# Altium PCB ControllerV1.0.PcbDoc (part 1 of 2) (continued)
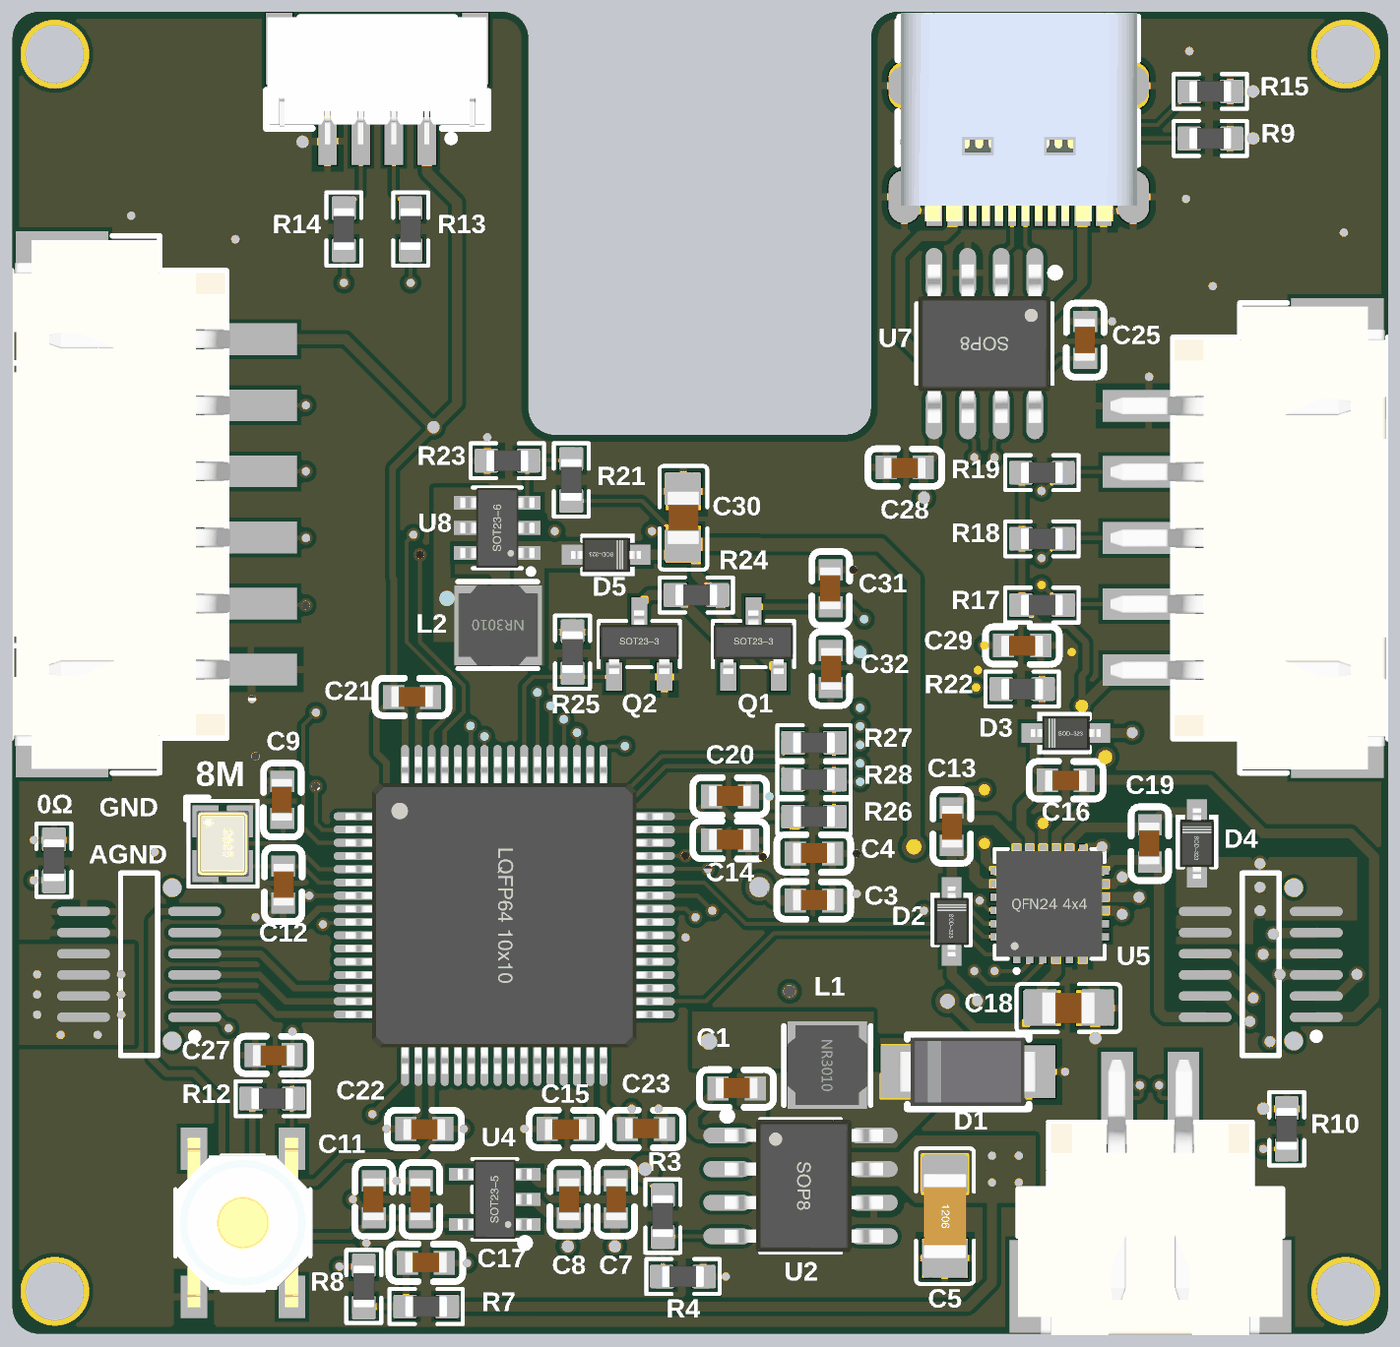
[diagram p6: 3D render of the assembled board from below, using the file's embedded part models]

## Layer stack, top to bottom
Top Solder: solder mask 0.4, Solder Resist, Dk 3.5
Top: signal copper 1.4
Dielectric 2: prepreg 2.8, PP-006, Dk 4.1
Gnd: signal copper 1.378
Dielectric 1: dielectric 47.2441, FR-4, Dk 4.8
Signal: signal copper 1.378
Dielectric 3: prepreg 2.8, PP-006, Dk 4.1
Bottom: signal copper 1.4
Bottom Solder: solder mask 0.4, Solder Resist, Dk 3.5

## Board outline
38.74,0 cw(c38.74,39.37) -0.63,39.37 -0.63,1929.13 cw(c38.74,1929.13) 38.74,1968.5 729.37,1968.5 cw(c729.37,1929.13) 768.74,1929.13 768.74,1377.95 ccw(c808.11,1377.95) 808.11,1338.58 1239.53,1338.58 ccw(c1239.53,1377.95) 1278.9,1377.95 1278.9,1929.13 cw(c1318.27,1929.13) 1318.27,1968.5 2007.24,1968.5 cw(c2007.24,1929.13) 2046.61,1929.13 2046.61,39.37 cw(c2007.24,39.37) 2007.24,0

## Design rules (kind name [scope] priority, off if disabled: settings)
BoardOutlineClearance [All] p1: gap=0 ignorepadtopadclearanceinfootprint=FALSE except(10: Poly-OutlineEdge)
Clearance [All] p1: gap=6 ignorepadtopadclearanceinfootprint=FALSE except(4: Arc-Arc Arc-Track Track-Track)
ComponentClearance [All] p1: gap=0 collisioncheckmode=3 verticalgap=0 showdistances=FALSE
Height [All] p1: minheight=0 maxheight=2000 prefheight=500
HoleSize [All] p1: absolutevalues=TRUE maxlimit=500 minlimit=1 maxpercent=80.000 minpercent=20.000
HoleToHoleClearance [All] p1: gap=0 allowstackedmicrovias=TRUE
MinimumSolderMaskSliver [All] p1: minsoldermaskwidth=0
PolygonConnect PolygonConnect_14 [All vs IsNamedPolygon('AGND_L02_P011')] p1: thpad.connectstyle=Relief thpad.reliefconductorwidth=10 thpad.reliefentries=4 thpad.polygonreliefangle="90 Angle" thpad.airgapwidth=10 smdpad.connectstyle=Relief smdpad.reliefconductorwidth=10 smdpad.reliefentries=4 smdpad.polygonreliefangle="90 Angle" smdpad.airgapwidth=10 via.connectstyle=Direct via.reliefconductorwidth=10 via.reliefentries=4 via.polygonreliefangle="90 Angle" via.airgapwidth=10
PolygonConnect PolygonConnect_13 [All vs IsNamedPolygon('GND_L02_P013')] p2: thpad.connectstyle=Relief thpad.reliefconductorwidth=10 thpad.reliefentries=4 thpad.polygonreliefangle="90 Angle" thpad.airgapwidth=10 smdpad.connectstyle=Relief smdpad.reliefconductorwidth=10 smdpad.reliefentries=4 smdpad.polygonreliefangle="90 Angle" smdpad.airgapwidth=10 via.connectstyle=Direct via.reliefconductorwidth=10 via.reliefentries=4 via.polygonreliefangle="90 Angle" via.airgapwidth=10
PolygonConnect PolygonConnect_12 [All vs IsNamedPolygon('GND_L04_P023')] p3: thpad.connectstyle=Relief thpad.reliefconductorwidth=10 thpad.reliefentries=4 thpad.polygonreliefangle="90 Angle" thpad.airgapwidth=10 smdpad.connectstyle=Relief smdpad.reliefconductorwidth=10 smdpad.reliefentries=4 smdpad.polygonreliefangle="90 Angle" smdpad.airgapwidth=10 via.connectstyle=Direct via.reliefconductorwidth=10 via.reliefentries=4 via.polygonreliefangle="90 Angle" via.airgapwidth=10
PolygonConnect PolygonConnect_11 [All vs IsNamedPolygon('GND_L01_P015')] p4: thpad.connectstyle=Relief thpad.reliefconductorwidth=10 thpad.reliefentries=4 thpad.polygonreliefangle="90 Angle" thpad.airgapwidth=10 smdpad.connectstyle=Relief smdpad.reliefconductorwidth=10 smdpad.reliefentries=4 smdpad.polygonreliefangle="90 Angle" smdpad.airgapwidth=10 via.connectstyle=Direct via.reliefconductorwidth=10 via.reliefentries=4 via.polygonreliefangle="90 Angle" via.airgapwidth=10
PolygonConnect PolygonConnect_10 [All vs IsNamedPolygon('GND_L04_P023')] p5: connectstyle=Relief reliefconductorwidth=10 reliefentries=4 polygonreliefangle="90 Angle" airgapwidth=10
PolygonConnect PolygonConnect_9 [All vs IsNamedPolygon('NETD5_2_L04_P006')] p6: connectstyle=Direct reliefconductorwidth=10 reliefentries=4 polygonreliefangle="90 Angle" airgapwidth=10
PolygonConnect PolygonConnect_8 [All vs IsNamedPolygon('5V_L04_P000')] p7: connectstyle=Direct reliefconductorwidth=10 reliefentries=4 polygonreliefangle="90 Angle" airgapwidth=10
PolygonConnect PolygonConnect_7 [All vs IsNamedPolygon('NETD5_2_L04_P021')] p8: connectstyle=Direct reliefconductorwidth=10 reliefentries=4 polygonreliefangle="90 Angle" airgapwidth=10
PolygonConnect PolygonConnect_6 [All vs IsNamedPolygon('GND_L01_P015')] p9: connectstyle=Relief reliefconductorwidth=10 reliefentries=4 polygonreliefangle="90 Angle" airgapwidth=10
PolygonConnect PolygonConnect_5 [All vs IsNamedPolygon('GND_L04_P014')] p10: connectstyle=Relief reliefconductorwidth=10 reliefentries=4 polygonreliefangle="90 Angle" airgapwidth=10
PolygonConnect PolygonConnect_4 [All vs IsNamedPolygon('GND_L02_P013')] p11: connectstyle=Relief reliefconductorwidth=10 reliefentries=4 polygonreliefangle="90 Angle" airgapwidth=10
PolygonConnect PolygonConnect_2 [All vs IsNamedPolygon('AGND_L02_P011')] p12: connectstyle=Relief reliefconductorwidth=10 reliefentries=4 polygonreliefangle="90 Angle" airgapwidth=10
PolygonConnect PolygonConnect_3 [All vs IsNamedPolygon('5V_L01_P010')] p13: connectstyle=Direct reliefconductorwidth=10 reliefentries=4 polygonreliefangle="90 Angle" airgapwidth=10
PolygonConnect PolygonConnect_1 [All vs IsNamedPolygon('NETD5_2_L04_P003')] p14: connectstyle=Direct reliefconductorwidth=10 reliefentries=4 polygonreliefangle="90 Angle" airgapwidth=10
PolygonConnect PolygonConnect_PGND [InNet('PGND')] p15: connectstyle=Direct reliefconductorwidth=10 reliefentries=4 polygonreliefangle="90 Angle" airgapwidth=10
PolygonConnect [InNetClass('POWER')] p16: connectstyle=Direct reliefconductorwidth=10 reliefentries=4 polygonreliefangle="90 Angle" airgapwidth=10
RoutingVias [All] p1: holewidth=12 width=24 viastyle="Through Hole" minholewidth=10 minwidth=10 maxholewidth=30 maxwidth=50
SilkToSilkClearance [All] p1: silktosilkclearance=0
SilkToSolderMaskClearance [IsPad] p1: minsilkscreentomaskgap=0 clearancetoexposedcopper=TRUE
SolderMaskExpansion [IsVia] p1: expansion=4 istentingtop=TRUE
Width [All] p1: maxlimit=100 minlimit=6 preferedwidth=10
23 further rules are at their usual default settings.

## Classes and differential pairs
component class Controller_2: C29 C30 C31 C32 D5 J1 J2 L2 LED2 LED3 OLED1 Q1 Q2 R16 R17 R18 R19 R20 R21 R22 R23 R24 R25 R26 R27 R28 SW2 SW3 U8 XH3 XH4
component class Controller_1: C1 C2 C3 C4 C5 C6 C7 C8 C9 C10 C11 C12 C13 C14 C15 C16 C17 C18 C19 C20 C21 C22 C23 C24 C25 C26 C27 C28 D1 D2 D3 D4 L1 LED1 R1 R2 R3 R4 R5 R6 R7 R8 R9 R10 R11 R12 R13 R14 R15 SW1 U1 U2 U3 U4 U5 U6 U7 USB1 X1 XH1 XH2

## Components (designator, comment, footprint, x,y, rotation, side; value= is the part's Value field where it differs from the comment)
C1 "10nf" 0603C 968.74,365 r180 bottom
C2 "10uf" 0603C 703.74,570 r270 top
C3 "10nf" 0603C 853.74,645 r180 bottom
C4 "10uf" 0603C 853.74,715 r180 bottom
C5 "10uf" 1206C 658.74,175 r270 bottom
C6 "47uf" 1206C 953.74,370 r270 top
C7 "10uf" 0603C 1148.74,200 r270 bottom
C8 "0.1uf" 0603C 1218.74,200 r270 bottom
C9 "22pf" 0603C 1645,795 r90 bottom
C10 "10uf" 0603C 1438.74,200 r90 bottom
C11 "0.1uf" 0603C 1508.74,200 r90 bottom
C12 "22pf" 0603C 1643.74,668.66 r270 bottom
C13 "220nf" 0603C 648.74,755 r270 bottom
C14 "2.2uf" 0603C 978.74,735 r180 bottom
C15 "2.2uf" 0603C 1223.13,305 r0 bottom
C16 "220nf" 0603C 478.74,824.37 r0 bottom
C17 "0.1uf" 0603C 1431.24,105.34 r180 bottom
C18 "10uf" 0805C 475,485 r180 bottom
C19 "220nf" 0603C 353.74,730 r90 bottom
C20 "0.1uf" 0603C 978.74,800 r180 bottom
C21 "0.1uf" 0603C 1451.77,947.87 r180 bottom
C22 "0.1uf" 0603C 1433.74,305 r0 bottom
C23 "0.1uf" 0603C 1103.74,304.79 r180 bottom
C24 "0.1uf" 0603C 1428.74,545 r90 top
C25 "0.1uf" 0603C 450,1480 r90 bottom
C26 "0.1uf" 0603C 353.82,35 r180 top
C27 "0.1uf" 0603C 1657.81,415 r0 bottom
C28 "0.1uf" 0603C 718.74,1290 r0 bottom
C29 "0.1uf" 0603C 543.74,1025 r0 bottom
C30 "22uf" 0805C 1048.11,1215 r90 bottom
C31 "4.7uf" 0603C 828.74,1110 r90 bottom
C32 "4.7uf" 0603C 828.74,990 r270 bottom
D1 "SS34_C8678" SS34 714.84,390 r180 bottom
D2 "1N5819WS" SOD-323 648.74,613.94 r270 bottom
D3 "1N5819WS" SOD-323 478.74,894.37 r180 bottom
D4 "1N5819WS" SOD-323 283.74,730 r270 bottom
D5 "1N5819WS" SOD-323 1163.11,1160 r0 bottom
J1 "BTB-2X6-F" BTB-F-0.8mm-2x6P 188.74,550 r0 bottom
J2 "BTB-2X6-F" BTB-F-0.8mm-2x6P 1858.23,550 r0 bottom
L1 "10uH" IND-SMD_L3.0-W3.0_SWPA3010S 833.74,400 r270 bottom value=22uH
L2 "10uH" IND-SMD_L3.0-W3.0_SWPA3010S 1323.74,1055 r0 bottom value=22uH
LED1 "LED_0603-B" LED_0603 874.26,1255 r270 top
LED2 "LED_0603-B" LED_0603 1174.26,1255 r270 top
LED3 "LED_0603-B" LED_0603 1024.06,1255 r270 top
OLED1 "OLED_12880" OLED_12880 693.74,932.05 r180 top
Q1 "FDN338P" SOT-23-3 943.74,1030 r270 bottom
Q2 "FDN335N" SOT-23-3 1113.74,1030 r270 bottom
R1 "3.3k" 0603R 939.06,1255 r270 top
R2 "10k" 0603R 1245.83,545 r90 top
R3 "47k" 0603R 1078.74,175 r90 bottom
R4 "15k" 0603R 1048.74,85 r0 bottom
R5 "0R" 0603R 1985,705 r270 bottom
R6 "10k" 0603R 1338.74,545 r90 top
R7 "10k" 0603R 1430.94,40.34 r180 bottom
R8 "1k" 0603R 1523.74,70.34 r270 bottom
R9 "5.1k" 0603R 263.74,1850 r0 bottom
R10 "4.7k" 0603R 150,305 r90 bottom
R11 "NC" 0603R 354.21,411.81 r180 top
R12 "10k" 0603R 1660,350 r0 bottom
R13 "22R" 0603R 1454.06,1645 r90 bottom
R14 "22R" 0603R 1553.42,1645 r90 bottom
R15 "5.1k" 0603R 263.74,1780 r0 bottom
R16 "2k" 0603R 1239.06,1255 r270 top
R17 "3.3k" 0603R 514.37,1085 r0 bottom
R18 "3.3k" 0603R 514.37,1183.74 r0 bottom
R19 "3.3k" 0603R 514.37,1282.17 r0 bottom
R20 "5k" 0603R 1089.06,1255 r270 top
R21 "47k" 0603R 1215,1271.48 r270 bottom
R22 "470k" 0603R 543.74,960 r0 bottom
R23 "3.3k" 0603R 1310,1300 r180 bottom
R24 "47k" 0603R 1028.74,1100 r0 bottom
R25 "47k" 0603R 1213.11,1015 r270 bottom
R26 "2.2k" 0603R 853.74,770 r0 bottom
R27 "22R" 0603R 853.74,880 r180 bottom
R28 "22R" 0603R 853.74,825 r180 bottom
SW1 "TS-1187A-B-A-B" "TSW SMD-4*4*1.5" 1703.74,165 r270 bottom
SW2 "TS-1187A-B-A-B" "TSW SMD-4*4*1.5" 1673.74,1045 r0 top
SW3 "TS-1187A-B-A-B" "TSW SMD-4*4*1.5" 1673.74,790 r0 top
U1 "STM32F405RGT6" LQFP_64 1314.72,622.83 r180 bottom
U2 "TPS5450DDAR" SOP-8-EP 873.74,220 r270 bottom
U3 "AMS1117-3.3_C347256" SOT-89 837.14,569.06 r180 top
U4 "RT9013-33GB" SOT-23-5 1328.74,200 r90 bottom
U5 "FD6288Q" QFN-24-EP(4x4) 502.95,640.1 r180 bottom
U6 "SN65HVD230D" SOP-8 353.82,215 r0 top
U7 "CH340N" SOP-8 600,1474.39 r0 bottom
U8 "MT3608L" SOT-23-6 1325,1200 r90 bottom
USB1 "TYPE-C 16PIN" USB-C-SMD_TYPE-C-6PIN-2MD-073 548.74,1765 r0 bottom
X1 "-" "OSC 2520-4P" 1733.74,729.68 r270 bottom
XH1 "XH2.54-WS-2P" XH2.54-WS-2P 353.07,155 r180 bottom
XH2 "GH1.25-WS-4P" GH1.25-WS-4P 1503.74,1845 r0 bottom
XH3 "XH2.54-WS-5P" XH2.54-WS-5P 159.37,1185 r90 bottom
XH4 "XH2.54-WS-6P" XH2.54-WS-6P 1888.11,1235 r270 bottom

## Footprints (in the part's own frame and the unit in brackets; to place one, negate y for a bottom-side part, rotate by r counter-clockwise, add the part's x,y. Pads: shape width x height; smd on the part's side, far side on the other; paste and mask are expansions set on the pad)
0603C [mm]
  rect 0.8x0.9 smd: 1(-0.7,0) 2(0.7,0)
  silkscreen extent -1.41,-0.71 1.39,0.72, body extent -0.8,-0.38 0.8,0.42, height 0.6
0603R [mil]
  rect 31.75x34.02 smd paste-3937.01 mask+2: 1(-29.66,0) 2(29.66,0)
  silkscreen extent -55,-26 55,26, body extent -31,-16 31,16, height 15
0805C [mm]
  rect 1.41x1.35 smd paste-100 mask+0.051: 1(-1,0) 2(1,0)
  silkscreen extent -1.96,-0.9 1.96,0.9, body extent -1,-0.6 1,0.6, height 0.95
1206C [mm]
  rect 1.485x1.728 smd paste-100 mask+0.051: 1(-1.593,0) 2(1.593,0)
  silkscreen extent -2.56,-1.09 2.56,1.09, body extent -1.6,-0.81 1.6,0.81, height 1.21
BTB-F-0.8mm-2x6P [mm] "0.8间距2x6P母座，SMD"
  oval 2x0.35 smd: 1(-2.1,2) 2(-2.1,1.2) 3(-2.1,0.4) 4(-2.1,-0.4) 5(-2.1,-1.2) 6(-2.1,-2) 7(2.1,-2) 8(2.1,-1.2) 9(2.1,-0.4) 10(2.1,0.4) 11(2.1,1.2) 12(2.1,2)
  silkscreen extent -2.22,-3.45 0.7,3.45, body extent -1.1,-3.45 1.1,3.45, height 2
GH1.25-WS-4P [mm]
  rect 0.7x1.8 smd paste+0 mask+0.05: 1(-1.875,1.75) 2(-0.625,1.75) 3(0.625,1.75) 4(1.875,1.75)
  rect 1x2.7 smd paste+0 mask+0.05: 5(3.705,-1.75) 6(-3.705,-1.75)
  silkscreen extent -4.19,-2.92 4.19,1.78, body extent -4.15,-2.93 4.15,1.92, height 4.1
IND-SMD_L3.0-W3.0_SWPA3010S [mm]
  rect 1x3 smd: 1(1.15,0) 2(-1.15,0)
  silkscreen extent -1.49,-1.65 1.52,1.64, body extent -1.5,-1.5 1.5,1.5, height 1.15
LED_0603 [mil]
  rect 31.5x31.5 smd paste+0 mask+2: 1(-33.5,-0.4) 2(29.5,-0.2)
  silkscreen extent -61,-30 53,30, body extent -36,-16 26,16, height 18
LQFP_64 [mm] "LQFP_64_N"
  oval 1.8x0.3 smd: 1(-5.55,3.75) 2(-5.55,3.25) 3(-5.55,2.75) 4(-5.55,2.25) 5(-5.55,1.75) 6(-5.55,1.25) 7(-5.55,0.75) 8(-5.55,0.25) 9(-5.55,-0.25) 10(-5.55,-0.75) 11(-5.55,-1.25) 12(-5.55,-1.75) 13(-5.55,-2.25) 14(-5.55,-2.75) 15(-5.55,-3.25) 16(-5.55,-3.75) 33(5.55,-3.75) 34(5.55,-3.25) 35(5.55,-2.75) 36(5.55,-2.25) 37(5.55,-1.75) 38(5.55,-1.25) 39(5.55,-0.75) 40(5.55,-0.25) 41(5.55,0.25) 42(5.55,0.75) 43(5.55,1.25) 44(5.55,1.75) 45(5.55,2.25) 46(5.55,2.75) 47(5.55,3.25) 48(5.55,3.75)
  oval 0.3x1.8 smd: 17(-3.75,-5.55) 18(-3.25,-5.55) 19(-2.75,-5.55) 20(-2.25,-5.55) 21(-1.75,-5.55) 22(-1.25,-5.55) 23(-0.75,-5.55) 24(-0.25,-5.55) 25(0.25,-5.55) 26(0.75,-5.55) 27(1.25,-5.55) 28(1.75,-5.55) 29(2.25,-5.55) 30(2.75,-5.55) 31(3.25,-5.55) 32(3.75,-5.55) 49(3.75,5.55) 50(3.25,5.55) 51(2.75,5.55) 52(2.25,5.55) 53(1.75,5.55) 54(1.25,5.55) 55(0.75,5.55) 56(0.25,5.55) 57(-0.25,5.55) 58(-0.75,5.55) 59(-1.25,5.55) 60(-1.75,5.55) 61(-2.25,5.55) 62(-2.75,5.55) 63(-3.25,5.55) 64(-3.75,5.55)
  silkscreen extent -4.25,-4.25 4.25,4.25, body extent -6,-6 6,6, height 1.45
OLED_12880 [mm] "OLED_128*80"
  rrect50% 3.5x0.4 smd: 1(0,-4.2) 2(0,-3.5) 3(0,-2.8) 4(0,-2.1) 5(0,-1.4) 6(0,-0.7) 7(0,0) 8(0,0.7) 9(0,1.4) 10(0,2.1) 11(0,2.8) 12(0,3.5) 13(0,4.2)
  silkscreen extent -20.32,-6.35 3.56,6.35, body extent -20.18,-6.25 7.54,6.25, height 1.55
"OSC 2520-4P" [mm] "2*2.5*0.55mm(长宽高)"
  rect 1.2x1 smd: 1(-0.85,-0.65) 2(0.85,-0.65) 3(0.85,0.65) 4(-0.85,0.65)
  silkscreen extent -1.75,-1.4 1.63,1.32, body extent -1.25,-1 1.25,1, height 0.55
QFN-24-EP(4x4) [mm]
  rect 0.28x0.665 smd paste-100 mask+0.05: 1(-1.25,-1.908) 2(-0.75,-1.908) 3(-0.25,-1.908) 4(0.25,-1.908) 5(0.75,-1.908) 6(1.25,-1.908) 13(1.25,1.908) 14(0.75,1.908) 15(0.25,1.908) 16(-0.25,1.908) 17(-0.75,1.908) 18(-1.25,1.908)
  rect 0.665x0.28 smd paste-100 mask+0.05: 7(1.908,-1.25) 8(1.908,-0.75) 9(1.908,-0.25) 10(1.908,0.25) 11(1.908,0.75) 12(1.908,1.25) 19(-1.908,1.25) 20(-1.908,0.75) 21(-1.908,0.25) 22(-1.908,-0.25) 23(-1.908,-0.75) 24(-1.908,-1.25)
  rect 2.55x2.55 smd paste-100 mask+0.05: 25(0,0)
  silkscreen extent -2.08,-2.61 2.08,2.08, body extent -2.03,-2.01 1.99,2.01, height 0.95
SOD-323 [mm]
  rect 1x0.75 smd: 1(-1.173,0) 2(1.173,0)
  silkscreen extent -1.08,-0.8 0.9,0.8, body extent -1.32,-0.65 1.32,0.65, height 1
SOP-8 [mm]
  oval 0.63x1.865 smd: 1(-1.905,-2.682) 2(-0.635,-2.682) 3(0.635,-2.682) 4(1.905,-2.682) 5(1.905,2.682) 6(0.635,2.682) 7(-0.635,2.682) 8(-1.905,2.682)
  silkscreen extent -2.82,-2.83 2.58,1.52, body extent -2.5,-3 2.5,3, height 1.9
SOP-8-EP [mm]
  oval 0.6x1.8 smd: 1(-1.905,-2.772) 2(-0.635,-2.772) 3(0.635,-2.772) 4(1.905,-2.772) 5(1.905,2.772) 6(0.635,2.772) 7(-0.635,2.772) 8(-1.905,2.772)
  rect 2.29x2.29 smd: 9(0,0)
  silkscreen extent -2.8,-2.92 2.53,1.52, body extent -2.5,-2.88 2.5,3.13, height 1.9
SOT-23-3 [mm]
  rect 1.07x0.6 smd paste+0 mask+0.051: 1(1.314,-0.95) 2(1.314,0.95) 3(-1.156,0)
  silkscreen extent -0.8,-1.54 0.96,1.54, body extent -1.2,-1.5 1.2,1.5, height 1.05
SOT-23-5 [mm]
  rect 0.49x1.157 smd: 1(-0.95,-1.154) 2(0,-1.154) 3(0.95,-1.154)
  rect 0.49x1.175 smd: 4(0.95,1.154) 5(-0.95,1.154)
  silkscreen extent -1.8,-1.29 1.53,0.85, body extent -1.5,-1.4 1.5,1.4, height 1.15
SOT-23-6 [mm]
  rect 0.532x0.99 smd: 1(-0.95,-1.145) 2(0,-1.145) 3(0.95,-1.145) 4(0.95,1.145) 5(0,1.145) 6(-0.95,1.145)
  silkscreen extent -1.75,-1.37 1.53,0.93, body extent -1.5,-1.4 1.5,1.4, height 1.15
SOT-89 [mm]
  rect 1.575x0.672 smd: 1(1.356,-1.5) 3(1.356,1.5)
  oval 5.377x1.9 smd: 2(-1.356,0.009)
  Top region: -2.283,0.959 -0.429,0.959 -0.385,0.958 -0.34,0.955 -0.296,0.949 -0.252,0.942 -0.208,0.933 -0.165,0.921 -0.123,0.908 -0.081,0.893 -0.04,0.875 0,0.856 0.04,0.835 0.078,0.812 0.115,0.788 0.151,0.761 0.185,0.733 0.219,0.704 0.251,0.673 0.281,0.64 0.31,0.606 0.337,0.571 0.362,0.534 0.386,0.497 0.408,0.458 0.428,0.418 0.447,0.339 2.144,0.339 2.144,-0.321 0.447,-0.321 0.428,-0.401 0.408,-0.44 0.386,-0.479 0.362,-0.517 0.337,-0.553 0.31,-0.588 0.281,-0.622 0.251,-0.655 0.219,-0.686 0.185,-0.716 0.151,-0.744 0.115,-0.77 0.078,-0.795 0.04,-0.818 0,-0.839 -0.04,-0.858 -0.081,-0.875 -0.123,-0.89 -0.165,-0.904 -0.208,-0.915 -0.252,-0.925 -0.296,-0.932 -0.34,-0.937 -0.385,-0.94 -0.429,-0.941 -2.283,-0.941 -2.328,-0.94 -2.372,-0.937 -2.416,-0.932 -2.46,-0.925 -2.504,-0.915 -2.547,-0.904 -2.589,-0.89 -2.631,-0.875 -2.672,-0.858 -2.713,-0.839 -2.752,-0.818 -2.79,-0.795 -2.827,-0.77 -2.863,-0.744 -2.898,-0.716 -2.931,-0.686 -2.963,-0.655 -2.993,-0.622 -3.022,-0.588 -3.049,-0.553 -3.075,-0.517 -3.098,-0.479 -3.12,-0.44 -3.141,-0.401 -3.159,-0.36 -3.175,-0.318 -3.189,-0.276 -3.202,-0.233 -3.212,-0.19 -3.22,-0.146 -3.227,-0.102 -3.231,-0.058 -3.233,-0.013 -3.233,0.031 -3.231,0.076 -3.227,0.12 -3.22,0.164 -3.212,0.208 -3.202,0.251 -3.189,0.294 -3.175,0.336 -3.159,0.377 -3.141,0.418 -3.12,0.458 -3.098,0.497 -3.075,0.534 -3.049,0.571 -3.022,0.606 -2.993,0.64 -2.963,0.673 -2.931,0.704 -2.898,0.733 -2.863,0.761 -2.827,0.788 -2.79,0.812 -2.752,0.835 -2.713,0.856 -2.672,0.875 -2.631,0.893 -2.589,0.908 -2.547,0.921 -2.504,0.933 -2.46,0.942 -2.416,0.949 -2.372,0.955 -2.328,0.958 -2.283,0.959
  silkscreen extent -1.87,-2.33 0.78,2.33, body extent -2.79,-2.3 1.51,2.3, height 1.6
SS34 [mil]
  rect 78.7x78.7 smd mask+2: 1(0,0) 2(181.1,0)
  silkscreen extent 0,-55 181,55, body extent -12,-51 192,51, height 95
"TSW SMD-4*4*1.5" [mm] "轻触开关，长宽高：4*4*1.5mm"
  rect 1.6x1 smd: 1(-2.8,1.85) 2(-2.8,-1.85) 3(2.8,-1.85) 4(2.8,1.85)
  silkscreen extent -2.55,-2.55 2.55,2.55, body extent -3.2,-2.6 3.2,2.6, height 1.5
USB-C-SMD_TYPE-C-6PIN-2MD-073 [mm]
  rect 0.6x1.1 smd paste-100 mask+0.05: 1(-3.2,2.375) 2(-2.4,2.375) 11(2.4,2.375) 12(3.2,2.375)
  rect 0.3x1.1 smd paste-100 mask+0.05: 3(-1.75,2.375) 4(-1.25,2.375) 5(-0.75,2.375) 6(-0.25,2.375) 7(0.25,2.375) 8(0.75,2.375) 9(1.25,2.375) 10(1.75,2.375)
  oval 1.2x1.8 hole 0.6 slot 1.2 at 90 deg paste+0 mask+0.05: 13(-4.325,-2.375) 14(4.325,-2.375)
  oval 1.2x2 hole 0.6 slot 1.5 at 90 deg paste+0 mask+0.05: 13(-4.325,1.825) 14(4.325,1.825)
  Keep-Out Layer board cut-out: -2.54,1.305 -2.54,1.375 -2.593,1.503 -2.692,1.602 -2.82,1.655 -2.96,1.655 -3.088,1.602 -3.187,1.503 -3.24,1.375 -3.24,1.305 -3.24,1.235 -3.187,1.107 -3.088,1.008 -2.96,0.955 -2.82,0.955 -2.692,1.008 -2.593,1.107 -2.54,1.235 -2.54,1.305 -2.54,1.305
  Keep-Out Layer board cut-out: 3.24,1.305 3.24,1.375 3.187,1.503 3.088,1.602 2.96,1.655 2.821,1.655 2.692,1.602 2.593,1.503 2.54,1.375 2.54,1.305 2.54,1.235 2.593,1.107 2.692,1.008 2.821,0.955 2.96,0.955 3.088,1.008 3.187,1.107 3.24,1.235 3.24,1.305 3.24,1.305
  Multi-Layer pour cut-out: -2.54,1.305 -2.54,1.375 -2.593,1.503 -2.692,1.602 -2.82,1.655 -2.96,1.655 -3.088,1.602 -3.187,1.503 -3.24,1.375 -3.24,1.305 -3.24,1.235 -3.187,1.107 -3.088,1.008 -2.96,0.955 -2.82,0.955 -2.692,1.008 -2.593,1.107 -2.54,1.235 -2.54,1.305 -2.54,1.305
  Multi-Layer pour cut-out: 3.24,1.305 3.24,1.375 3.187,1.503 3.088,1.602 2.96,1.655 2.821,1.655 2.692,1.602 2.593,1.503 2.54,1.375 2.54,1.305 2.54,1.235 2.593,1.107 2.692,1.008 2.821,0.955 2.96,0.955 3.088,1.008 3.187,1.107 3.24,1.235 3.24,1.305 3.24,1.305
  silkscreen extent -4.5,-4.97 4.57,0.6, body extent -4.47,-5.14 4.47,2.76, height 3.2
XH2.54-WS-2P [mm] "长：10mm，宽：8mm，高：6.1mm   淘宝ID:黄晶宝石   店铺网址:https://shop463601444.taobao.com"
  rect 2x3.5 smd: 0(-4.327,-2.15) 0(4.327,-2.15)
  rect 1.2x3.5 smd: 1(-1.25,4.981) 2(1.25,4.981)
  silkscreen extent -5,-4.06 5,4.06, body extent -5,-4 5,6.42, height 6.05
XH2.54-WS-5P [mm] "长：17.5mm，宽：8mm，高：6.1mm"
  rect 2x3.5 smd: 0(-8.077,-2.15) 0(8.077,-2.15)
  rect 1.2x3.5 smd: 1(-5,4.981) 2(-2.5,4.981) 3(0,4.981) 4(2.5,4.981) 5(5,4.981)
  silkscreen extent -8.89,-4.06 8.89,4.06, body extent -8.75,-4 8.75,6.42, height 6.05
XH2.54-WS-6P [mm] "长：20mm，宽：8mm，高：6.1mm"
  rect 2x3.5 smd: 0(-9.327,-2.15) 0(9.327,-2.15)
  rect 1.2x3.5 smd: 1(-6.25,4.981) 2(-3.75,4.981) 3(-1.25,4.981) 4(1.25,4.981) 5(3.75,4.981) 6(6.25,4.981)
  silkscreen extent -10.16,-4.06 10.16,4.06, body extent -10,-4 10,6.42

## Part data
C1 C2 C3 C4 C5 C6 C7 C8 C9 C10 C11 C12 C13 C14 C15 C16 C17 C18 C19 C20 C21 C22 C23 C24 C25 C26 C27 C28 C29 C30 C31 C32: library part CAP, "贴片电容"
D1: library part SS34, "肖特基二极管", JLCPCB Part Class="Basic Part", Manufacturer=MDD, Add into BOM=yes, Convert to PCB=yes, Datasheet=https://atta.szlcsc.com/upload/public/pdf/source/20220408/D0396E57A6E83C6AFC0ED25EC9EDE030.pdf, Device=SS34_C8678, LCSC Part Name=SS34, Manufacturer Part=SS34, Name=SS34, Supplier=LCSC, Supplier Footprint=SMA(DO-214AC), Supplier Part=C8678, Symbol=SS34_C8678
D2 D3 D4 D5: "肖特基二极管", Average Rectified Current (Io)=1A, Forward Voltage (Vf@If)=600mV@1A, JLCPCB Part Class=基础库, LCSC Part Name="电压:40V 电流:1A", Manufacturer=Hottech(合科泰), Reverse Voltage (Vr)=40V, Add into BOM=yes, Convert to PCB=yes, Datasheet=https://atta.szlcsc.com/upload/public/pdf/source/20220428/3CB86FD8D28D653594B4E35F9D5AEFD9.pdf, Device=1N5819WS_C191023, Manufacturer Part=1N5819WS, Supplier=LCSC, Supplier Footprint=SOD-323, Supplier Part=C191023, Symbol=1N5819WS
J1 J2: "0.8间距2x6P母座"
L1 L2: library part SWPA3015S100MT, "电感值:10uH;精度:±20%;额定电流:920mA;", DC Resistance (DCR)=110mΩ, JLCPCB Part Class="Extended Part", LCSC Part Name="22uH ±20% 1.23A 110mΩ", Manufacturer=SXN(顺翔诺), Manufacturer Part=SMDRI74-220M, Rated Current=1.23A, Tolerance=±20%, Add into BOM=yes, Convert to PCB=yes, Datasheet=https://atta.szlcsc.com/upload/public/pdf/source/20210810/6F96FDC19AA308DD2AD166FFB9640E87.pdf, Device=SMDRI74-220M, Supplier=LCSC, Supplier Footprint=SMD, Supplier Part=C164083, Symbol=SMDRI74-220M
LED1 LED2 LED3: library part LED, Add into BOM=yes, Convert to PCB=yes, Device=LED_0603-B, Supplier Footprint=0603, Symbol=LED_B
OLED1: "OLED_128*80"
Q1: "P沟道 耐压:20V 电流:2A", JLCPCB Part Class=扩展库, Manufacturer="TECH PUBLIC(台舟)", Add into BOM=yes, Convert to PCB=yes, Datasheet=https://atta.szlcsc.com/upload/public/pdf/source/20210903/7E6CB84F0F80073F6978D1021964D836.pdf, Device=FDN338P, LCSC Part Name=FDN338P, Manufacturer Part=FDN338P, Supplier=LCSC, Supplier Footprint=SOT-23, Supplier Part=C2890130, Symbol=FDN338P_C2890130
Q2: "N沟道 耐压:20V 电流:1.7A", JLCPCB Part Class=扩展库, Manufacturer="TECH PUBLIC(台舟)", Add into BOM=yes, Convert to PCB=yes, Datasheet=https://atta.szlcsc.com/upload/public/pdf/source/20221011/C6D62871DD587F26C6CC0F7FCE0BC659.pdf, Device=FDN335N_C5123904, LCSC Part Name=FDN335N, Manufacturer Part=FDN335N, Supplier=LCSC, Supplier Footprint=SOT-23(TO-236), Supplier Part=C5123904, Symbol=FDN335N_C5123904
R1 R2 R3 R4 R5 R6 R7 R8 R9 R10 R11 R12 R13 R14 R15 R16 R17 R18 R19 R20 R21 R22 R23 R24 R25 R26 R27 R28: library part RES, "贴片电阻"
SW1 SW2 SW3: "轻触开关", Actuator/Cap Color=金色, Contact Current=50mA, Insulation Resistance=-, JLCPCB Part Class=基础库, LCSC Part Name="5.1*5.1*1.5mm 立贴 轻触开关", Manufacturer="XKB Connectivity(中国星坤)", Operating Force=160gf, Operating Temperature=-30℃~+85℃, Voltage Rating (DC)=12V, Actuator Style=圆形按钮, Add into BOM=yes, Circuit=单刀单掷, Convert to PCB=yes, Datasheet=https://atta.szlcsc.com/upload/public/pdf/source/20200227/C318890_053E50208A88A7BA1965D8746000774E.pdf, Device=TS-1187A-B-A-B, Manufacturer Part=TS-1187A-B-A-B, Mechanical Life=10万次, Mounting Style=立贴, Strike Gundam=不带, Supplier=LCSC, Supplier Footprint=SMD, Supplier Part=C318884, Switch Height=1.5mm, Switch Length=5.1mm, Switch Width=5.1mm, Symbol=TS-1187A-B-A-B, With Lamp=无
U1: "ARM Cortex-M4 32-bit MCU+FPU, 210 DMIPS, 1024 kB Flash, 192 kB Internal RAM, 51 I/Os, 64-pin LQFP, -40 to 85 degC, Tray", I/Os (High Current)=51, Manufacturer=STMicroelectronics, Operating Frequency(F) (Processor speed) (MHz)=168, Supplier Part Number 1=497-11767-ND, Supply Voltage(Vcc) max (V)=3.6, Supply Voltage(Vcc) min (V)=1.8, ComponentLink1Description="Manufacturer URL", ComponentLink1URL=http://www.st.com/web/en/home.html, ComponentLink2Description=Datasheet, ComponentLink2URL=http://www.st.com/st-web-ui/static/active/en/resource/technical/document/datasheet/DM00037051.pdf, ComponentLink3Description="Package Specification", ComponentLink3URL=http://www.st.com/st-web-ui/static/active/en/resource/technical/document/datasheet/DM00037051.pdf, Core="ARM Cortex-M4", D/A Converter=2x12-bit, DatasheetVersion="Rev. 4", FLASH Size (Prog) (kB)=1024, Internal RAM Size (kB)=192, Mounting Technology="Surface Mount", PackageDescription="64-Pin Low Profile Quad Flat Package, 10 x 10 mm Body, 0.5 mm Pitch", PackageReference=LQFP64, PackageVersion="Rev. 4, 06/2013", Packing=Tray, PartNumber=STM32F405RGT6, Supplier 1=Digi-Key, Supplier 2=Farnell, Supplier 3=Newark, Supplier 4=Mouser, Supplier Part Number 2=2064363, Supplier Part Number 3=73T2329, Supplier Part Number 4=511-STM32F405RGT6
U2: Input Voltage=5.5V~36V, JLCPCB Part Class=扩展库, Manufacturer=TI(德州仪器), Operating Temperature=-40℃~+125℃@(TJ), Output Current (Max)=5A, Output Voltage=1.221V~31.32V, Switching Frequency=500kHz, Add into BOM=yes, Convert to PCB=yes, Datasheet=https://www.ti.com/cn/lit/gpn/tps5450, Device=TPS5450DDAR, Function=降压型, LCSC Part Name=TPS5450DDAR, Manufacturer Part=TPS5450DDAR, Number of Outputs=1, Output Type=可调, Supplier=LCSC, Supplier Footprint=SOP-8-EP-150mil, Supplier Part=C114425, Symbol=TPS5450DDAR, Synchronous Rectification=否, Topology=降压式
U3: "输出类型:固定;输出极性:正;最大输入电压:18V;输出电压:3.3V;输出电流:1A;电源纹波抑制比(PSRR):60dB@(120Hz);", Dropout Voltage=1.3V@(1A), JLCPCB Part Class=扩展库, LCSC Part Name="输入18V 输出3.3V 1A", Manufacturer=UMW(友台半导体), Manufacturer Part=AMS1117-3.3, Maximum Input Voltage=18V, Output Current=1A, Output Voltage=3.3V, Power Supply Rejection Ratio (PSRR)=60dB@(120Hz), Add into BOM=yes, Convert to PCB=yes, Datasheet=https://atta.szlcsc.com/upload/public/pdf/source/20211011/50CC665C22E3A66C08379A4A74BDA25C.pdf, Device=AMS1117-3.3_C347256, Number of Outputs=1, Output Polarity=正, Output Type=固定, Supplier=LCSC, Supplier Footprint=SOT-89, Supplier Part=C347256, Symbol=AMS1117-3.3_C347256
U4: "输出类型:固定;输出极性:正;最大输入电压:5.5V;输出电压:3.3V;输出电流:500mA;电源纹波抑制比(PSRR):50dB@(10kHz);", Dropout Voltage=400mV@(500mA), JLCPCB Part Class=扩展库, LCSC Part Name="输入5.5V 输出3.3V 500mA", Manufacturer=RICHTEK(立锜), Maximum Input Voltage=5.5V, Operating Temperature=-40℃~+85℃, Output Current=500mA, Output Voltage=3.3V, Power Supply Rejection Ratio (PSRR)=50dB@(10kHz), Quiescent Current (Ground Current)=50uA, Add into BOM=yes, Convert to PCB=yes, Datasheet=https://atta.szlcsc.com/upload/public/pdf/source/20150504/1457707282459.pdf, Device=RT9013-33GB, Feature=-, Manufacturer Part=RT9013-33GB, Noise=-, Number of Outputs=1, Output Polarity=正, Output Type=固定, Supplier=LCSC, Supplier Footprint=SOT-23-5, Supplier Part=C47773, Symbol=RT9013-33GB
U5: JLCPCB Part Class="Extended Part", Manufacturer="Fortior Tech(峰岹)", Add into BOM=yes, Convert to PCB=yes, Datasheet=https://atta.szlcsc.com/upload/public/pdf/source/20181108/C328453_785547738DB9FC0123219FC22539EFAD.pdf, Device=FD6288Q, LCSC Part Name=FD6288Q, Manufacturer Part=FD6288Q, Supplier=LCSC, Supplier Footprint=QFN-24-EP(4x4), Supplier Part=C328453, Symbol=FD6288Q_C328453
U6: "具有待机模式的 3.3V CAN 收发器 8-SOIC -40 to 85", JLCPCB Part Class=扩展库, Manufacturer=TI(德州仪器), Add into BOM=yes, Convert to PCB=yes, Device=SN65HVD230D, LCSC Part Name=SN65HVD230D, Manufacturer Part=SN65HVD230D, Supplier=LCSC, Supplier Footprint=SOIC-8, Supplier Part=C1543812, Symbol=SN65HVD230D
U7: JLCPCB Part Class=扩展库, LCSC Part Name="USB转串口芯片 CH340", Manufacturer=WCH(南京沁恒), Add into BOM=yes, Convert to PCB=yes, Datasheet=https://atta.szlcsc.com/upload/public/pdf/source/20220223/82A45E4FF89B3EDCAD50B354450A7EF4.pdf, Device=CH340N, Manufacturer Part=CH340N, Supplier=LCSC, Supplier Footprint=SOP-8, Supplier Part=C2977777, Symbol=CH340N_C2977777
U8: JLCPCB Part Class=扩展库, Manufacturer=西安航天民芯, Add into BOM=yes, Convert to PCB=yes, Datasheet=https://atta.szlcsc.com/upload/public/pdf/source/20211213/953A62CC1033762E00AABAD4906DD7F1.pdf, Device=MT3608L, LCSC Part Name=MT3608L, Manufacturer Part=MT3608L, Supplier=LCSC, Supplier Footprint=SOT-23-6, Supplier Part=C2932326, Symbol=MT3608L
USB1: library part "TYPE-C 16PIN 2MD(073)", "连接器类型:Type-C;标准:-;公母:母座;触点数量:16;端口数量:1;安装方式:卧贴;额定电流 - 电源:5A;工作温度范围:-25℃~+85℃;", Current Rating - Power (Max)=5A, JLCPCB Part Class=扩展库, LCSC Part Name="TYPE-C母座 16P 4脚插件带定位柱 不锈钢外壳 2次模顶", Manufacturer="SHOU HAN(首韩)", Operating Temperature Range=-25℃~+85℃, Add into BOM=yes, Connector Type=Type-C, Convert to PCB=yes, Device="TYPE-C 16PIN 2MD(073)", Gender=母座, Manufacturer Part="TYPE-C 16PIN 2MD(073)", Mounting Style=卧贴, Number of Contacts=16, Number of Ports=1, Standard=-, Supplier=LCSC, Supplier Footprint=SMD, Supplier Part=C2765186, Symbol="TYPE-C 16PIN 2MD(073)"
X1: library part 四脚晶振, "8MHz", BOM_JLCPCB Part Class="Extended Part", BOM_Manufacturer=NDK, BOM_Manufacturer Part=NX2016SA-32MHZ-STD-CZS-5, BOM_Supplier=LCSC, BOM_Supplier Part=C843260, Contributor=LCSC, nameAlias=Frequency, spicePre=X, spiceSymbolName=NX2016SA-32MHZ-STD-CZS-5

## Free pads (board coordinates)
  round 102.36 hole 86.61: 8(62.36,62.99) 8(62.36,1905.51) 8(1983.62,62.99) 8(1983.62,1905.51)
  round 51.18 hole 35.43: 9(220,990) 10(220,1087.5) 11(220,1185) 12(220,1282.5) 13(220,1380)

## Via types
v1: diameter 20, hole 12, Top to Bottom, tented both sides, 123 vias
v2: diameter 24, hole 16, Top to Bottom, tented both sides, 19 vias
v3: diameter 25, hole 18, Top to Bottom, tented both sides, 13 vias
v4: diameter 24, hole 12, Top to Bottom, tented both sides, 4 vias
v5: diameter 27.56, hole 27.56, Top to Bottom, tented both sides, 4 vias
v6: diameter 36, hole 22, Top to Bottom, tented both sides, 2 vias
v7: diameter 30, hole 20, Top to Bottom, tented both sides, 1 vias
v8: diameter 30, hole 22, Top to Bottom, tented both sides, 1 vias
v9: diameter 42, hole 30, Top to Bottom, tented both sides, 1 vias
v10: diameter 36, hole 24, Top to Bottom, tented both sides, 1 vias
v11: diameter 42, hole 20, Top to Bottom, tented both sides, 1 vias

## Nets (pads, with @x,y where several pads share a name; then routed paths per layer and width w, separated by ;. In a path a pad name is that pad's centre, name@x,y a point inside that pad or via, vN(x,y) a via of type N, cw(c..) or ccw(c..) an arc to the next point about the centre after c; other vN are vias at no path point)
5V: C2.2 C6.1 C7.1 C8.1 C28.1 L1.2 L2.1 pad.10 R3.2 U3.3 U4.1 U4.3 U7.5 U8.4 U8.5 USB1.2 USB1.11 | length 4343
  Top w15: v3(690,1245) 650,1205 500,1205 420,1125 v7(420,858.61) 420,770 590,600 644.21,600 C2.2@701.77,542.44
  Top w20: C2.2@701.77,542.44 C2.2@703.74,542.44 ; U3.3@783.74,510 765.96,510 762.74,513.23 762.74,523.09 743.38,542.44 C2.2@703.74,542.44 ; C6.1@953.74,432.7 752.3,432.7 703.74,481.26 C2.2@703.74,542.44 ; v10(1010,435) 1010,429.05 1040,399.05 1040,310 v11(1105,245)
  Signal w10: pad.10@220,1087.5 257.5,1087.5 418.89,926.11 418.89,859.71 v7(420,858.61)
  Signal w20: v10(1010,435) 1090,435 1110,415 1280,415 1320,455 1320,780 1400,860 v8(1400,1095)
  Bottom w6: R3.2@1078.74,204.66 1079.87,204.66 1098.11,222.9 1098.11,238.11 v11(1105,245)
  Bottom w15: USB1.2@454.26,1671.49 454.26,1565.74 530,1490 640,1490 675,1455 ; USB1.11@643.24,1671.49 647.55,1667.18 647.55,1646.12 658.66,1635 695,1635 725,1605 725,1485 695,1455 675,1455 ; v3(690,1245) 690.59,1245.59 690.59,1289.41 C28.1@691.18,1290 691.18,1291.97 675,1308.15 U7.5@675,1368.78 675,1455 ; v11(1105,245) 1110.17,239.83 1130.29,239.83 1134.31,235.81 1140.49,235.81 C7.1@1148.74,227.56 C8.1@1218.74,227.56
  Bottom w20: C8.1@1218.74,227.56 1261.06,227.56 1270.9,237.4 U4.3@1283.32,237.4 1283.67,237.05 1317.95,237.05 1330,225 1330,175 1317.95,162.95 1283.67,162.95 U4.1@1283.32,162.6
AGND: C7.2 C8.2 C10.2 C11.2 C17.2 C24.2 J2.1 J2.9 J2.10 J2.11 J2.12 R5.2 R8.1 U1.12 U4.2 | length 572.8
  Top w10: C24.2@1428.74,572.56 1432.83,568.47 v1@1464.66,568.47
  Bottom w10: v1(1370,105) 1403.34,105 C17.2@1403.68,105.34 ; C10.2@1438.74,227.56 v1(1475,227.56) C11.2@1508.74,227.56 ; v1@1464.62,568.47 1464.62,566.56 1477.24,553.94 U1.12@1533.23,553.94 ; R8.1@1523.74,100 v1(1560,100) ; v1(1725,455) 1739.51,469.51 1740.3,469.51 1742.05,471.26 J2.1@1775.55,471.26 ; R5.2@1985.17,675.17 v1@2014.83,675.17
  Bottom w15: v3(1150,130) 1149.37,130.63 1149.37,171.81 C7.2@1148.74,172.44 C8.2@1218.74,172.44 ; v3(1220,130) 1219.37,130.63 1219.37,171.81 C8.2@1218.74,172.44 ; U4.2@1283.32,200 1270.19,200 1255.94,185.75 1254.95,185.75 1249.9,180.69 1226.99,180.69 C8.2@1218.74,172.44 ; R5.2@1985,675.34 R5.2@1985.17,675.17 ; v1@2014.83,675.17 v1(2015,675)
  other v1: 1920,445 1975,445 1885,475 2010,475 1885,505 2010,505 1885,535 2010,535 1460,568.47
AH: U1.41 U5.22 | length 548
  Signal w6: v1(607.14,645) 635,645 670,610 1020,610 v1(1030,620)
  Bottom w6: U5.22@578.05,630.26 579.49,631.7 594.18,631.7 v1@607.14,644.66 ; v1(1030,620) 1031.52,620 1044.19,632.68 U1.41@1096.22,632.68
AL: U1.34 U5.1 | length 599.2
  Bottom w6: U5.1@552.16,565 598.79,565 630.25,596.46 913.54,596.46 1015,495 1096.1,495 U1.34@1096.22,494.88
AVCC: C10.1 C11.1 C24.1 J2.6 U1.13 U4.5 | length 1483
  Top w10: v1(1460,520) 1431.3,520 C24.1@1428.74,517.44 1426.77,517.44 1400,490.67 1400,360 1500,260 1525,260 1540,245 v1(1540,200)
  Bottom w10: U4.5@1374.16,162.6 1428.9,162.6 C10.1@1438.74,172.44 C11.1@1510.71,172.44 ; v1(1460,520) 1474.25,534.25 U1.13@1533.23,534.25 ; v1(1540,200) 1538.27,200 C11.1@1510.71,172.44 ; J2.6@1775.55,628.74 1826.26,628.74 1840,615 1840,410 1817.5,387.5 1777.5,387.5 1735,345 1735,240 1640,145 1543.05,145 1532.05,156 1527.15,156 C11.1@1510.71,172.44
BH: U1.42 U5.23 | length 535.5
  Signal w6: v1(690,630) v1(1005,630)
  Bottom w6: U5.23@578.05,610.57 600.57,610.57 620,630 v1(690,630) ; v1(1005,630) 1027.36,652.36 U1.42@1096.22,652.36
BL: U1.26 U5.2 | length 904.9
  Signal w6: v1(585,540) 605,560 1235,560 1285.2,509.8 v1(1285.2,485)
  Bottom w6: U5.2@532.48,565 534.99,562.49 534.99,550.01 545,540 v1(585,540) ; U1.26@1285.2,404.33 v1(1285.2,485)